# KiCad board ardumower mega shield svn.kicad_pcb (continued)
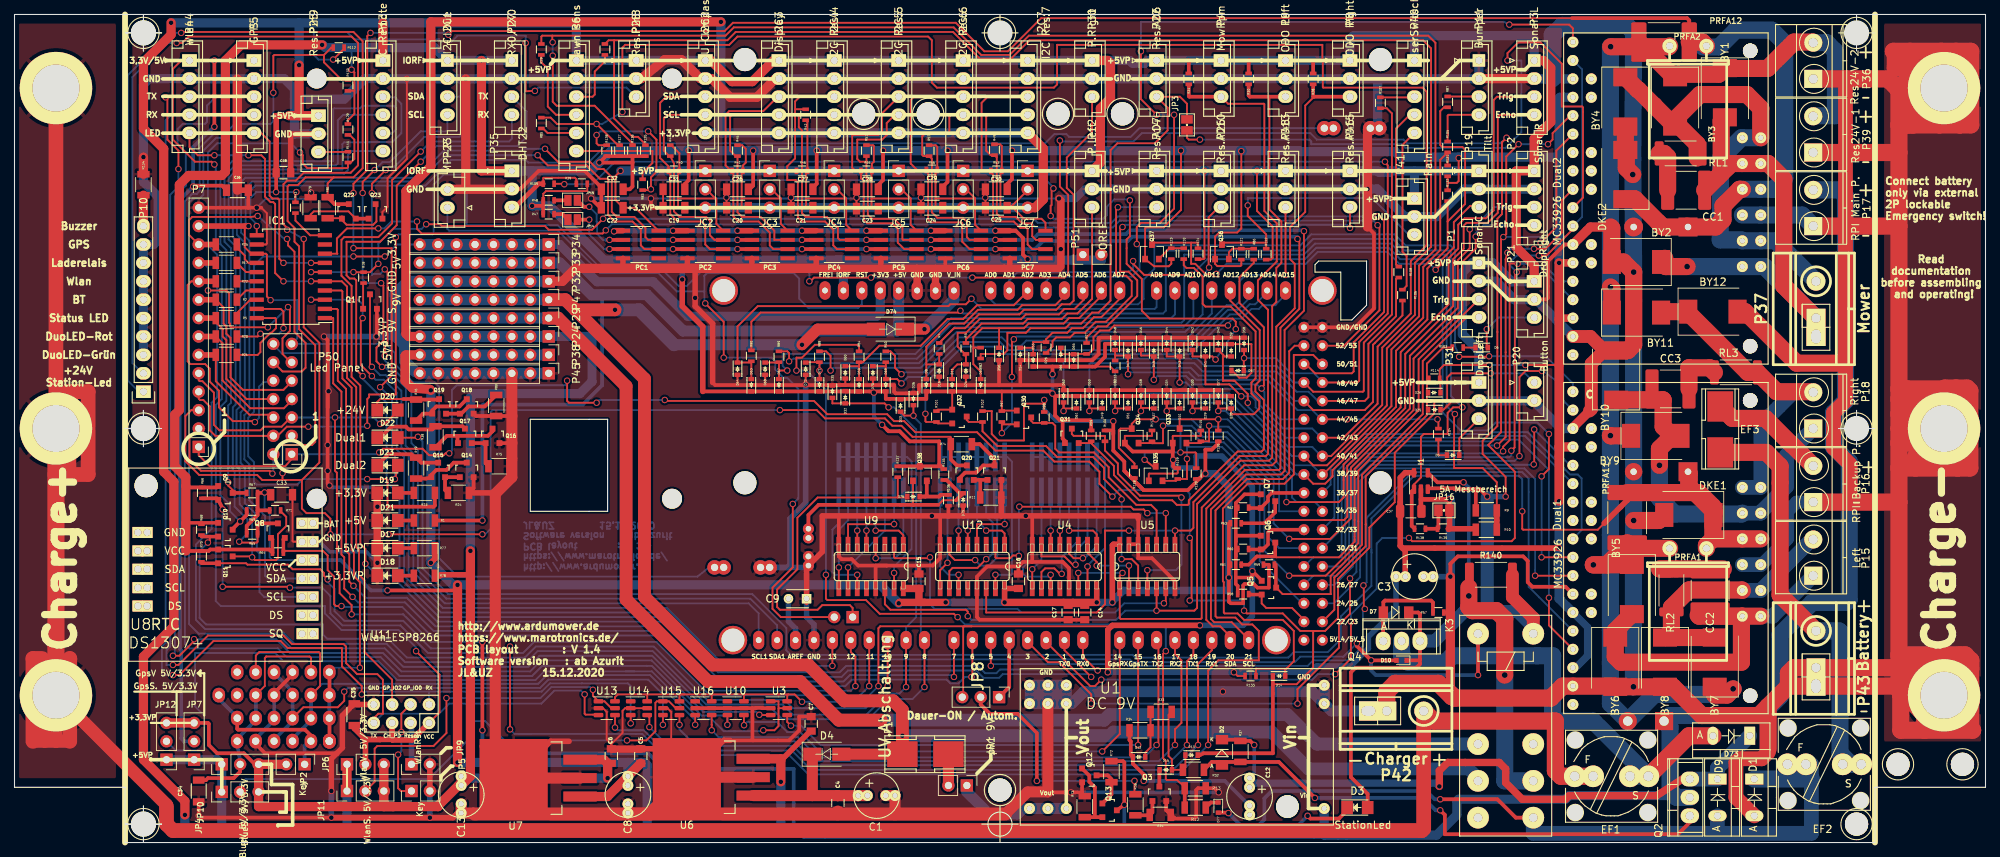
[diagram p0: board, top side]
## Library data of the parts (continued)
PRFA2 = -: Bestelllink: https://www.reichelt.de/de/en/resettable-fuses-max-40-a-30-v-14-5-s-pfra-500-p35215.html?GROUP=C48&GROUPID=7658&START=0&SORT=-rank&OFFSET=16&&r=1; Bestellnummer: R: PFRA 500; Bestücken (Assemble): NEIN (NO); Dateiname Blatt: Motortreiber2.kicad_sch; Funktion: PFRA 500 Resettable fuses, max. 40 A, 30 V, 14.5 s; Reichelt-Bestellnummer: R: PFRA 500; Schaltplanname: Motortreiber2; Technische Daten: PFRA 500 Resettable fuses, max. 40 A, 30 V, 14.5 s
PRFA11 = -: Bestelllink: https://www.mouser.de/ProductDetail/Littelfuse/2920L500-24SLDR/?qs=%2Fha2pyFadujrPVORV2ny8ShSp9F2IGH04BA1WKQYQ6Q%3D; Bestellnummer: R: PFRA 500; Bestücken (Assemble): NEIN (NO); Dateiname Blatt: Motortreiber1.kicad_sch; Funktion: PPTC PTC 24V POLYFUSE SMD 2920 SL 5.00A; Gehäuseart: 2920; Hersteller Nummer: 2920L500/24SLDR; Mouser Datenblatt: https://www.mouser.de/datasheet/2/240/littelfuse_ptc_low_rho_datasheet_pdf-1901322.pdf; Mouser Nummer: 576-2920L500/24SLDR; Reichelt-Bestellnummer: R: PFRA 500; Schaltplanname: Motortreiber1; Technische Daten: PPTC PTC 24V POLYFUSE SMD 2920 SL 5.00A
PRFA12 = -: Bestelllink: https://www.mouser.de/ProductDetail/Littelfuse/2920L500-24SLDR/?qs=%2Fha2pyFadujrPVORV2ny8ShSp9F2IGH04BA1WKQYQ6Q%3D; Bestellnummer: R: PFRA 500; Bestücken (Assemble): NEIN (NO); Dateiname Blatt: Motortreiber2.kicad_sch; Funktion: PPTC PTC 24V POLYFUSE SMD 2920 SL 5.00A; Gehäuseart: 2920; Hersteller Nummer: 2920L500/24SLDR; Mouser Datenblatt: https://www.mouser.de/datasheet/2/240/littelfuse_ptc_low_rho_datasheet_pdf-1901322.pdf; Mouser Nummer: 576-2920L500/24SLDR; Reichelt-Bestellnummer: R: PFRA 500; Schaltplanname: Motortreiber2; Technische Daten: PPTC PTC 24V POLYFUSE SMD 2920 SL 5.00A
Q1 = -: Bauform: Value; Bestelllink: https://www.reichelt.de/de/en/transistor-smd-npn-sot-23-45-v-0-1-a-0-25-w-bc-847b-smd-p18562.html?GROUPID=7206&&r=1; Bestellnummer: R: BC 847B SMD; Bestücken (Assemble): JA (YES); Dateiname Blatt: ardumower mega shield svn.kicad_sch; Funktion: Transistor SMD NPN SOT-23 45 V 0.1 A 0.25 W; Gehäuseart: SOT-23; Reichelt-Bestellnummer: R: BC 847B SMD; Technische Daten: Transistor SMD NPN SOT-23 45 V 0.1 A 0.25 W
Q2 = -: Bauform: Value; Bestelllink: https://www.reichelt.de/mosfet-p-ch-100v-23a-140w-to-220ab-irf-9540n-p41638.html?&trstct=pos_0&nbc=1; Bestellnummer: R: IRF 9540N; Bestücken (Assemble): NEIN (NO); Dateiname Blatt: USpannungAB.kicad_sch; Funktion: MOSFET, P-CH, 100V, 23A, 140W, TO-220AB; Gehäuseart: TO-220AB; Reichelt-Bestellnummer: R: IRF 9540N; Schaltplanname: USpannungAB; Technische Daten: MOSFET, P-CH, 100V, 23A, 140W, TO-220AB
Q3 = -: Bauform: Value; Bestelllink: https://www.reichelt.de/SB-SKE-4F-Dioden/S-1G-SMD/3/index.html?ACTION=3&LA=446&ARTICLE=95354&GROUPID=2991&artnr=S+1G+SMD&SEARCH=S%2B1G%2BSMD; Bestellnummer: R: BC 817-40 SMD; Bestücken (Assemble): JA (YES); Dateiname Blatt: USpannungAB.kicad_sch; Funktion: Transistor SMD NPN SOT-23 45 V 0.5 A 0.25 W; Gehäuseart: SOT-23; Reichelt-Bestellnummer: R: BC 817-40 SMD; Schaltplanname: USpannungAB; Technische Daten: Transistor SMD NPN SOT-23 45 V 0.5 A 0.25 W
Q4 = -: Bestelllink: https://www.reichelt.de/mosfet-p-ch-100v-23a-140w-to-220ab-irf-9540n-p41638.html?&trstct=pos_0&nbc=1; Bestellnummer: R: IRF 9540N; Bestücken (Assemble): NEIN (NO); Dateiname Blatt: VerpolungsschutzLade.kicad_sch; Funktion: MOSFET, P-CH, 100V, 23A, 140W, TO-220AB; Gehäuseart: TO-220AB; Reichelt-Bestellnummer: R: IRF 9540N; Schaltplanname: VerpolungsschutzLade.; Technische Daten: MOSFET, P-CH, 100V, 23A, 140W, TO-220AB
Q5 = -: Bauform: Value; Bestelllink: https://www.reichelt.de/de/en/transistor-smd-n-fet-sot-23-50-v-0-22-a-bss-138-smd-p41437.html?SEARCH=bss138&&r=1; Bestellnummer: R: BSS 138 SMD; Bestücken (Assemble): JA (YES); Dateiname Blatt: LShifter1.kicad_sch; Funktion: Transistor SMD N-FET SOT-23 50 V 0.22 A; Gehäuseart: SOT-23; Reichelt-Bestellnummer: R: BSS 138 SMD; Schaltplanname: LShifter1; Technische Daten: Transistor SMD N-FET SOT-23 50 V 0.22 A
Q6 = -: Bauform: Value; Bestelllink: https://www.reichelt.de/de/en/transistor-smd-n-fet-sot-23-50-v-0-22-a-bss-138-smd-p41437.html?SEARCH=bss138&&r=1; Bestellnummer: R: BSS 138 SMD; Bestücken (Assemble): JA (YES); Dateiname Blatt: LShifter2.kicad_sch; Funktion: Transistor SMD N-FET SOT-23 50 V 0.22 A; Gehäuseart: SOT-23; Reichelt-Bestellnummer: R: BSS 138 SMD; Schaltplanname: LShifter2; Technische Daten: Transistor SMD N-FET SOT-23 50 V 0.22 A
Q7 = -: Bauform: Value; Bestelllink: https://www.reichelt.de/de/en/transistor-smd-n-fet-sot-23-50-v-0-22-a-bss-138-smd-p41437.html?SEARCH=bss138&&r=1; Bestellnummer: R: BSS 138 SMD; Bestücken (Assemble): JA (YES); Dateiname Blatt: LShifter3.kicad_sch; Funktion: Transistor SMD N-FET SOT-23 50 V 0.22 A; Gehäuseart: SOT-23; Reichelt-Bestellnummer: R: BSS 138 SMD; Schaltplanname: LShifter3; Technische Daten: Transistor SMD N-FET SOT-23 50 V 0.22 A
Q8 = -: Bauform: Value; Bestelllink: https://www.reichelt.de/de/en/transistor-smd-n-fet-sot-23-50-v-0-22-a-bss-138-smd-p41437.html?SEARCH=bss138&&r=1; Bestellnummer: R: BSS 138 SMD; Bestücken (Assemble): JA (YES); Dateiname Blatt: LShifter4.kicad_sch; Funktion: Transistor SMD N-FET SOT-23 50 V 0.22 A; Gehäuseart: SOT-23; Reichelt-Bestellnummer: R: BSS 138 SMD; Schaltplanname: LShifter4; Technische Daten: Transistor SMD N-FET SOT-23 50 V 0.22 A
Q9 = -: Bauform: Value; Bestelllink: https://www.reichelt.de/de/en/transistor-smd-n-fet-sot-23-50-v-0-22-a-bss-138-smd-p41437.html?SEARCH=bss138&&r=1; Bestellnummer: R: BSS 138 SMD; Bestücken (Assemble): JA (YES); Dateiname Blatt: LShifter5.kicad_sch; Funktion: Transistor SMD N-FET SOT-23 50 V 0.22 A; Gehäuseart: SOT-23; Reichelt-Bestellnummer: R: BSS 138 SMD; Schaltplanname: LShifter5; Technische Daten: Transistor SMD N-FET SOT-23 50 V 0.22 A
Q10 = -: Bauform: Value; Bestelllink: https://www.reichelt.de/de/en/transistor-smd-n-fet-sot-23-50-v-0-22-a-bss-138-smd-p41437.html?SEARCH=bss138&&r=1; Bestellnummer: R: BSS 138 SMD; Bestücken (Assemble): JA (YES); Dateiname Blatt: LShifter6.kicad_sch; Funktion: Transistor SMD N-FET SOT-23 50 V 0.22 A; Gehäuseart: SOT-23; Reichelt-Bestellnummer: R: BSS 138 SMD; Schaltplanname: LShifter6; Technische Daten: Transistor SMD N-FET SOT-23 50 V 0.22 A
Q11 = -: Bauform: Value; Bestelllink: https://www.reichelt.de/de/en/transistor-smd-n-fet-sot-23-50-v-0-22-a-bss-138-smd-p41437.html?SEARCH=bss138&&r=1; Bestellnummer: R: BSS 138 SMD; Bestücken (Assemble): JA (YES); Dateiname Blatt: LShifter7.kicad_sch; Funktion: Transistor SMD N-FET SOT-23 50 V 0.22 A; Gehäuseart: SOT-23; Reichelt-Bestellnummer: R: BSS 138 SMD; Schaltplanname: LShifter7; Technische Daten: Transistor SMD N-FET SOT-23 50 V 0.22 A
Q12 Q13 = -: Bestelllink: https://www.reichelt.de/SB-SKE-4F-Dioden/S-1G-SMD/3/index.html?ACTION=3&LA=446&ARTICLE=95354&GROUPID=2991&artnr=S+1G+SMD&SEARCH=S%2B1G%2BSMD; Bestellnummer: R: BC 817-40 SMD; Bestücken (Assemble): JA (YES); Dateiname Blatt: Stationsled.kicad_sch; Funktion: Transistor SMD NPN SOT-23 45 V 0.5 A 0.25 W; Gehäuseart: SOT-23; Reichelt-Bestellnummer: R: BC 817-40 SMD; Schaltplanname: Stationsled; Technische Daten: Transistor SMD NPN SOT-23 45 V 0.5 A 0.25 W
Q14-Q23 = -: Bestelllink: https://www.reichelt.de/SB-SKE-4F-Dioden/S-1G-SMD/3/index.html?ACTION=3&LA=446&ARTICLE=95354&GROUPID=2991&artnr=S+1G+SMD&SEARCH=S%2B1G%2BSMD; Bestellnummer: R: BC 817-40 SMD; Bestücken (Assemble): JA (YES); Dateiname Blatt: Leuchtdioden.kicad_sch; Funktion: Transistor SMD NPN SOT-23 45 V 0.5 A 0.25 W; Gehäuseart: SOT-23; Reichelt-Bestellnummer: R: BC 817-40 SMD; Schaltplanname: Leuchtdioden; Technische Daten: Transistor SMD NPN SOT-23 45 V 0.5 A 0.25 W
Q30 = -: Bauform: Value; Bestelllink: https://www.reichelt.de/de/en/transistor-smd-n-fet-sot-23-50-v-0-22-a-bss-138-smd-p41437.html?SEARCH=bss138&&r=1; Bestellnummer: R: BSS 138 SMD; Bestücken (Assemble): JA (YES); Dateiname Blatt: LShifter8.kicad_sch; Funktion: Transistor SMD N-FET SOT-23 50 V 0.22 A; Gehäuseart: SOT-23; Reichelt-Bestellnummer: R: BSS 138 SMD; Schaltplanname: LShifter8; Technische Daten: Transistor SMD N-FET SOT-23 50 V 0.22 A
Q31 = -: Bauform: Value; Bestelllink: https://www.reichelt.de/de/en/transistor-smd-n-fet-sot-23-50-v-0-22-a-bss-138-smd-p41437.html?SEARCH=bss138&&r=1; Bestellnummer: R: BSS 138 SMD; Bestücken (Assemble): JA (YES); Dateiname Blatt: LShifter9.kicad_sch; Funktion: Transistor SMD N-FET SOT-23 50 V 0.22 A; Gehäuseart: SOT-23; Reichelt-Bestellnummer: R: BSS 138 SMD; Schaltplanname: LShifter9; Technische Daten: Transistor SMD N-FET SOT-23 50 V 0.22 A
Q32 = -: Bauform: Value; Bestelllink: https://www.reichelt.de/de/en/transistor-smd-n-fet-sot-23-50-v-0-22-a-bss-138-smd-p41437.html?SEARCH=bss138&&r=1; Bestellnummer: R: BSS 138 SMD; Bestücken (Assemble): JA (YES); Dateiname Blatt: LShifter10.kicad_sch; Funktion: Transistor SMD N-FET SOT-23 50 V 0.22 A; Gehäuseart: SOT-23; Reichelt-Bestellnummer: R: BSS 138 SMD; Schaltplanname: LShifter10; Technische Daten: Transistor SMD N-FET SOT-23 50 V 0.22 A
Q33 = -: Bauform: Value; Bestelllink: https://www.reichelt.de/de/en/transistor-smd-n-fet-sot-23-50-v-0-22-a-bss-138-smd-p41437.html?SEARCH=bss138&&r=1; Bestellnummer: R: BSS 138 SMD; Bestücken (Assemble): JA (YES); Dateiname Blatt: LShifter11.kicad_sch; Funktion: Transistor SMD N-FET SOT-23 50 V 0.22 A; Gehäuseart: SOT-23; Reichelt-Bestellnummer: R: BSS 138 SMD; Schaltplanname: LShifter11; Technische Daten: Transistor SMD N-FET SOT-23 50 V 0.22 A
Q34 = -: Bauform: Value; Bestelllink: https://www.reichelt.de/de/en/transistor-smd-n-fet-sot-23-50-v-0-22-a-bss-138-smd-p41437.html?SEARCH=bss138&&r=1; Bestellnummer: R: BSS 138 SMD; Bestücken (Assemble): JA (YES); Dateiname Blatt: LShifter12.kicad_sch; Funktion: Transistor SMD N-FET SOT-23 50 V 0.22 A; Gehäuseart: SOT-23; Reichelt-Bestellnummer: R: BSS 138 SMD; Schaltplanname: LShifter12; Technische Daten: Transistor SMD N-FET SOT-23 50 V 0.22 A
Q35 = -: Bauform: Value; Bestelllink: https://www.reichelt.de/de/en/transistor-smd-n-fet-sot-23-50-v-0-22-a-bss-138-smd-p41437.html?SEARCH=bss138&&r=1; Bestellnummer: R: BSS 138 SMD; Bestücken (Assemble): JA (YES); Dateiname Blatt: LShifter13.kicad_sch; Funktion: Transistor SMD N-FET SOT-23 50 V 0.22 A; Gehäuseart: SOT-23; Reichelt-Bestellnummer: R: BSS 138 SMD; Schaltplanname: LShifter13; Technische Daten: Transistor SMD N-FET SOT-23 50 V 0.22 A
Q36 = -: Bauform: Value; Bestelllink: https://www.reichelt.de/de/en/transistor-smd-n-fet-sot-23-50-v-0-22-a-bss-138-smd-p41437.html?SEARCH=bss138&&r=1; Bestellnummer: R: BSS 138 SMD; Bestücken (Assemble): JA (YES); Dateiname Blatt: LShifter14.kicad_sch; Funktion: Transistor SMD N-FET SOT-23 50 V 0.22 A; Gehäuseart: SOT-23; Reichelt-Bestellnummer: R: BSS 138 SMD; Schaltplanname: LShifter14; Technische Daten: Transistor SMD N-FET SOT-23 50 V 0.22 A
Q37 = -: Bauform: Value; Bestelllink: https://www.reichelt.de/de/en/transistor-smd-n-fet-sot-23-50-v-0-22-a-bss-138-smd-p41437.html?SEARCH=bss138&&r=1; Bestellnummer: R: BSS 138 SMD; Bestücken (Assemble): JA (YES); Dateiname Blatt: LShifter15.kicad_sch; Funktion: Transistor SMD N-FET SOT-23 50 V 0.22 A; Gehäuseart: SOT-23; Reichelt-Bestellnummer: R: BSS 138 SMD; Schaltplanname: LShifter15; Technische Daten: Transistor SMD N-FET SOT-23 50 V 0.22 A
Q38 = -: Bauform: Value; Bestelllink: https://www.reichelt.de/de/en/transistor-smd-npn-sot-23-45-v-0-1-a-0-25-w-bc-847b-smd-p18562.html?GROUPID=7206&&r=1; Bestellnummer: R: BC 847B SMD; Bestücken (Assemble): JA (YES); Dateiname Blatt: Anschlußstecker.kicad_sch; Funktion: Transistor SMD NPN SOT-23 45 V 0.1 A 0.25 W; Gehäuseart: SOT-23; Reichelt-Bestellnummer: R: BC 847B SMD; Schaltplanname: Anschlußstecker; Technische Daten: Transistor SMD NPN SOT-23 45 V 0.1 A 0.25 W
R1 R2 R5 R17 R20-R22 R25 R77 R134 = -: Bauform: Value; Bestelllink: https://www.reichelt.de/de/en/smd-resistor-1206-220-ohm-125-mw-1--rnd-1206-1-220-p183354.html?GROUPID=7973&SEARCH=rnd%2B1206%2B1%2B220&&r=1; Bestellnummer: R: RND 1206 1 220; Bestücken (Assemble): JA (YES); Dateiname Blatt: Leuchtdioden.kicad_sch; Funktion: SMD Resistor 1206, 220 Ohm, 125 mW, 1%; Gehäuseart: 1206; Hersteller: Value; Hersteller Bestellnummer: Value; Reichelt-Bestellnummer: R: RND 1206 1 220; Schaltplanname: Leuchtdioden; Technische Daten: SMD Resistor 1206, 220 Ohm, 125 mW, 1%
R3 R4 R26 R27 R29 R50 R54 R87-R90 R103-R112 = -: Bauform: Value; Bestelllink: https://www.reichelt.de/de/en/smd-resistor-0603-300-ohm-63-mw-1--rnd-0603-1-300-p183023.html?GROUPID=7967&SEARCH=0603%2B300%252C0&&r=1; Bestellnummer: R: RND 0603 1 300; Bestücken (Assemble): JA (YES); Dateiname Blatt: Arduino_Mega.kicad_sch; Funktion: SMD-Widerstand, 0603, 300 Ohm, 100 mW, 1%; Gehäuseart: 0603; Reichelt-Bestellnummer: R: RND 0603 1 300; Schaltplanname: Arduino_Mega; Technische Daten: SMD-Widerstand, 0603, 300 Ohm, 100 mW, 1%
R9 R12 = -: Bauform: 1206; Bestelllink: https://www.reichelt.de/SMD-1206-von-1-bis-910-kOhm/SPR-1206-100K/3/index.html?ACTION=3&LA=446&ARTICLE=123458&GROUPID=7974&artnr=SPR-1206+100K&SEARCH=spr-1206%2B100k; Bestellnummer: R: SPR-1206 100K; Bestücken (Assemble): JA (YES); Dateiname Blatt: ardumower mega shield svn.kicad_sch; Funktion: SMD-Chipwiderstand 1206, 100 kOhm, 0,1%; Gehäuseart: 1206; Hersteller: Value; Hersteller Bestellnummer: Value; Reichelt-Bestellnummer: R: SPR-1206 100K; Technische Daten: SMD-Chipwiderstand 1206, 100 kOhm, 0,1%
R10 R13 = -: Bauform: 1206; Bestelllink: https://www.reichelt.de/SMD-1206-von-1-bis-910-kOhm/SPR-1206-10-0K/3/index.html?ACTION=3&LA=446&ARTICLE=123435&GROUPID=7974&artnr=SPR-1206+10%2C0K&SEARCH=spr-1206%2B10%252C0k; Bestellnummer: R: SPR-1206 10,0K; Bestücken (Assemble): JA (YES); Dateiname Blatt: ardumower mega shield svn.kicad_sch; Funktion: SMD chip resistor 1206, 10.0 kOhms, 0.1%; Gehäuseart: 1206; Hersteller: Value; Hersteller Bestellnummer: Value; Reichelt-Bestellnummer: R: SPR-1206 10,0K; Technische Daten: SMD-Chipwiderstand 1206, 10,0 kOhm, 0,1%
R11 R79 = -: Bauform: Value; Bestelllink: https://www.reichelt.de/de/en/smd-resistor-1206-68-ohm-125-mw-1--rnd-1206-1-68-p183346.html?GROUPID=7973&SEARCH=rnd%2B1206%2B1%2B68%252C0&&r=1; Bestellnummer: R: RND 1206 1 68; Bestücken (Assemble): JA (YES); Dateiname Blatt: Leuchtdioden.kicad_sch; Funktion: SMD Resistor 1206, 68 Ohm, 125 mW, 1%; Gehäuseart: 1206; Hersteller: Value; Hersteller Bestellnummer: Value; Reichelt-Bestellnummer: R: RND 1206 1 68; Schaltplanname: Leuchtdioden; Technische Daten: SMD Resistor 1206, 68 Ohm, 125 mW, 1%
R18 = -: Bauform: Value; Bestelllink: https://www.reichelt.de/smd-widerstand-0603-2-2-kohm-100-mw-1--rnd-0603-1-2-2k-p183061.html?GROUPID=7968&SEARCH=0603%2B2%252C2k&&r=1; Bestellnummer: R: RND 0603 1 2,2K; Bestücken (Assemble): JA (YES); Dateiname Blatt: ardumower mega shield svn.kicad_sch; Funktion: SMD-Widerstand, 0603, 2,2 kOhm, 100 mW, 1%; Gehäuseart: 0603; Hersteller: Value; Hersteller Bestellnummer: Value; Reichelt-Bestellnummer: R: RND 0603 1 2,2K; Technische Daten: SMD-Widerstand, 0603, 2,2 kOhm, 100 mW, 1%
R19 R38 R74 R76 R81 = -: Bauform: Value; Bestelllink: https://www.reichelt.de/de/en/smd-resistor-1206-8-2-kohm-125-mw-1--rnd-1206-1-8-2k-p183393.html?GROUPID=7974&SEARCH=rnd%2B1206%2B1%2B8%252C2k&&r=1; Bestellnummer: R: RND 1206 1 8,2K; Bestücken (Assemble): JA (YES); Dateiname Blatt: Leuchtdioden.kicad_sch; Funktion: SMD Resistor 1206, 8.2 kOhm, 125 mW, 1%; Gehäuseart: 1206; Hersteller: Value; Hersteller Bestellnummer: Value; Reichelt-Bestellnummer: R: RND 1206 1 8,2K; Schaltplanname: Leuchtdioden; Technische Daten: SMD Resistor 1206, 8.2 kOhm, 125 mW, 1%
R23 R78 = -: Bauform: Value; Bestelllink: https://www.reichelt.de/de/en/smd-resistor-1206-100-ohm-125-mw-1--rnd-1206-1-100-p183349.html?GROUPID=7973&SEARCH=rnd%2B1206%2B1%2B100%252C0&&r=1; Bestellnummer: R: RND 1206 1 100; Bestücken (Assemble): JA (YES); Dateiname Blatt: Leuchtdioden.kicad_sch; Funktion: SMD Resistor 1206, 100 Ohm, 125 mW, 1%; Gehäuseart: 1206; Hersteller: Value; Hersteller Bestellnummer: Value; Reichelt-Bestellnummer: R: RND 1206 1 100; Schaltplanname: Leuchtdioden; Technische Daten: SMD Resistor 1206, 100 Ohm, 125 mW, 1%
R24 R75 R80 = -: Bauform: Value; Bestelllink: https://www.reichelt.de/de/en/smd-resistor-1206-180-ohm-125-mw-1--rnd-1206-1-180-p183352.html?SEARCH=rnd%201206%201%20180&&r=1; Bestellnummer: R: RND 1206 1 180; Bestücken (Assemble): JA (YES); Dateiname Blatt: Leuchtdioden.kicad_sch; Funktion: SMD Resistor 1206, 180 Ohm, 125 mW, 1%; Gehäuseart: 1206; Hersteller: Value; Hersteller Bestellnummer: Value; Reichelt-Bestellnummer: R: RND 1206 1 180; Schaltplanname: Leuchtdioden; Technische Daten: SMD Resistor 1206, 180 Ohm, 125 mW, 1%
R28 R30 R31 = -: Bauform: Value; Bestelllink: https://www.reichelt.de/de/de/smd-widerstand-0603-4-7-kohm-100-mw-1--rnd-0603-1-4-7k-p183069.html?GROUPID=7968&SEARCH=RND%2B0603%2B1%2B4%252C7k&&r=1; Bestellnummer: R: RND 0603 1 4,7K; Bestücken (Assemble): JA (YES); Dateiname Blatt: Anschlußstecker.kicad_sch; Funktion: SMD-Widerstand, 0603, 4,7 kOhm, 100 mW, 1%; Gehäuseart: 0603; Hersteller: Value; Hersteller Bestellnummer: Value; Reichelt-Bestellnummer: R: RND 0603 1 4,7K; Schaltplanname: Anschlußstecker; Technische Daten: SMD-Widerstand, 0603, 4,7 kOhm, 100 mW, 1%
R32 = -: Bauform: Value; Bestelllink: https://www.reichelt.de/de/en/smd-resistor-1206-1-0-kohm-125-mw-1--rnd-1206-1-1-0k-p183379.html?GROUPID=7974&SEARCH=rnd%2B1206%2B1%2B1%252C0k&&r=1; Bestellnummer: R: RND 1206 1 1,0K; Bestücken (Assemble): JA (YES); Dateiname Blatt: USpannungAB.kicad_sch; Funktion: SMD Resistor 1206, 1.0 kOhm, 125 mW, 1%; Gehäuseart: 1206; Hersteller: Value; Hersteller Bestellnummer: Value; Reichelt-Bestellnummer: R: RND 1206 1 1,0K; Schaltplanname: USpannungAB; Technische Daten: SMD Resistor 1206, 1.0 kOhm, 125 mW, 1%
R33 = -: Bauform: Value; Bestelllink: https://www.reichelt.de/de/en/smd-resistor-1206-100-ohm-125-mw-1--rnd-1206-1-100-p183349.html?GROUPID=7973&SEARCH=rnd%2B1206%2B1%2B100%252C0&&r=1; Bestellnummer: R: RND 1206 1 100; Bestücken (Assemble): JA (YES); Dateiname Blatt: USpannungAB.kicad_sch; Funktion: SMD Resistor 1206, 100 Ohm, 125 mW, 1%; Gehäuseart: 1206; Hersteller: Value; Hersteller Bestellnummer: Value; Reichelt-Bestellnummer: R: RND 1206 1 100; Schaltplanname: USpannungAB; Technische Daten: SMD Resistor 1206, 100 Ohm, 125 mW, 1%
R34 R35 = -: Bauform: Value; Bestelllink: https://www.reichelt.de/de/en/smd-resistor-1206-10-kohm-125-mw-1--rnd-1206-1-10k-p183394.html?GROUPID=7974&SEARCH=rnd%2B1206%2B1%2B10&&r=1; Bestellnummer: R: RND 1206 1 10K; Bestücken (Assemble): JA (YES); Dateiname Blatt: USpannungAB.kicad_sch; Funktion: SMD Resistor 1206, 10 kOhm, 125 mW, 1%; Gehäuseart: 1206; Hersteller: Value; Hersteller Bestellnummer: Value; Reichelt-Bestellnummer: R: RND 1206 1 10K; Schaltplanname: USpannungAB; Technische Daten: SMD Resistor 1206, 10 kOhm, 125 mW, 1%
R36 = -: Bauform: Value; Bestelllink: https://www.reichelt.de/smd-widerstand-1206-30-kohm-500-mw-1--rnd-155hp06-cg-p250896.html?&trstct=pos_2&nbc=1; Bestellnummer: R: RND 155HP06 CG; Bestücken (Assemble): JA (YES); Dateiname Blatt: USpannungAB.kicad_sch; Funktion: SMD-Widerstand, 1206, 30 kOhm, 500 mW, 1%; Gehäuseart: 1206; Hersteller: Value; Hersteller Bestellnummer: Value; Reichelt-Bestellnummer: R: RND 155HP06 CG; Schaltplanname: USpannungAB; Technische Daten: SMD-Widerstand, 1206, 30 kOhm, 500 mW, 1%
R37 = -: Bauform: Value; Bestelllink: https://www.reichelt.de/de/en/smd-resistor-1206-100-kohm-125-mw-1--rnd-1206-1-100k-p183410.html?GROUPID=7974&SEARCH=rnd%2B1206%2B1%2B100k&&r=1; Bestellnummer: R: RND 1206 1 100K; Bestücken (Assemble): JA (YES); Dateiname Blatt: USpannungAB.kicad_sch; Funktion: SMD Resistor 1206, 100 kOhm, 125 mW, 1%; Gehäuseart: 1206; Hersteller: Value; Hersteller Bestellnummer: Value; Reichelt-Bestellnummer: R: RND 1206 1 100K; Schaltplanname: USpannungAB; Technische Daten: SMD Resistor 1206, 100 kOhm, 125 mW, 1%
R39 R137 = -: Bauform: Value; Bestelllink: https://www.reichelt.de/smd-widerstand-0603-10-kohm-100-mw-1--rnd-0603-1-10k-p183077.html?GROUPID=7968&SEARCH=0603%2B10k&&r=1; Bestellnummer: R: RND 0603 1 10K; Bestücken (Assemble): JA (YES); Dateiname Blatt: Anschlußstecker.kicad_sch; Funktion: SMD-Widerstand, 0603, 10 kOhm, 100 mW, 1%; Gehäuseart: 0603; Hersteller: Value; Hersteller Bestellnummer: Value; Reichelt-Bestellnummer: R: RND 0603 1 10K; Schaltplanname: Anschlußstecker; Technische Daten: SMD-Widerstand, 0603, 10 kOhm, 100 mW, 1%
R42 R46-R49 R51-R53 R55 R56 = -: Bauform: Value; Bestelllink: https://www.reichelt.de/smd-widerstand-0603-10-kohm-100-mw-1--rnd-0603-1-10k-p183077.html?GROUPID=7968&SEARCH=0603%2B10k&&r=1; Bestellnummer: R: RND 0603 1 10K; Bestücken (Assemble): JA (YES); Dateiname Blatt: I2C.kicad_sch; Funktion: SMD-Widerstand, 0603, 10 kOhm, 100 mW, 1%; Gehäuseart: 0603; Hersteller: Value; Hersteller Bestellnummer: Value; Reichelt-Bestellnummer: R: RND 0603 1 10K; Schaltplanname: I2C; Technische Daten: SMD-Widerstand, 0603, 10 kOhm, 100 mW, 1%
R43 = -: Bauform: Value; Bestelllink: https://www.reichelt.de/smd-widerstand-0603-2-2-kohm-100-mw-1--rnd-0603-1-2-2k-p183061.html?GROUPID=7968&SEARCH=0603%2B2%252C2k&&r=1; Bestellnummer: R: RND 0603 1 2,2K; Bestücken (Assemble): JA (YES); Dateiname Blatt: Leuchtdioden.kicad_sch; Funktion: SMD-Widerstand, 0603, 2,2 kOhm, 100 mW, 1%; Gehäuseart: 0603; Hersteller: Value; Hersteller Bestellnummer: Value; Reichelt-Bestellnummer: R: RND 0603 1 2,2K; Schaltplanname: Leuchtdioden; Technische Daten: SMD-Widerstand, 0603, 2,2 kOhm, 100 mW, 1%
R57 = -: Bauform: Value; Bestelllink: https://www.reichelt.de/de/en/smd-resistor-0603-100-kohm-63-mw-1--rnd-0603-1-100k-p183102.html?GROUPID=7968&SEARCH=0603%2B100k&&r=1; Bestellnummer: R: RND 0603 1 100K; Bestücken (Assemble): JA (YES); Dateiname Blatt: VerpolungsschutzLade.kicad_sch; Funktion: SMD Resistor 0603, 100 kOhm, 63 mW, 1%; Gehäuseart: 0603; Hersteller Bestellnummer: Value; Reichelt-Bestellnummer: R: RND 0603 1 100K; Schaltplanname: VerpolungsschutzLade.; Technische Daten: SMD Resistor 0603, 100 kOhm, 63 mW, 1%
R58 R59 = -: Bauform: Value; Bestelllink: https://www.reichelt.de/smd-widerstand-0603-10-kohm-100-mw-1--rnd-0603-1-10k-p183077.html?GROUPID=7968&SEARCH=0603%2B10k&&r=1; Bestellnummer: R: RND 0603 1 10K; Bestücken (Assemble): JA (YES); Dateiname Blatt: LShifter1.kicad_sch; Funktion: SMD-Widerstand, 0603, 10 kOhm, 100 mW, 1%; Gehäuseart: 0603; Hersteller: Value; Hersteller Bestellnummer: Value; Reichelt-Bestellnummer: R: RND 0603 1 10K; Schaltplanname: LShifter1; Technische Daten: SMD-Widerstand, 0603, 10 kOhm, 100 mW, 1%
R60 R61 = -: Bauform: Value; Bestelllink: https://www.reichelt.de/smd-widerstand-0603-10-kohm-100-mw-1--rnd-0603-1-10k-p183077.html?GROUPID=7968&SEARCH=0603%2B10k&&r=1; Bestellnummer: R: RND 0603 1 10K; Bestücken (Assemble): JA (YES); Dateiname Blatt: LShifter2.kicad_sch; Funktion: SMD-Widerstand, 0603, 10 kOhm, 100 mW, 1%; Gehäuseart: 0603; Hersteller: Value; Hersteller Bestellnummer: Value; Reichelt-Bestellnummer: R: RND 0603 1 10K; Schaltplanname: LShifter2; Technische Daten: SMD-Widerstand, 0603, 10 kOhm, 100 mW, 1%
R62 R63 = -: Bauform: Value; Bestelllink: https://www.reichelt.de/smd-widerstand-0603-10-kohm-100-mw-1--rnd-0603-1-10k-p183077.html?GROUPID=7968&SEARCH=0603%2B10k&&r=1; Bestellnummer: R: RND 0603 1 10K; Bestücken (Assemble): JA (YES); Dateiname Blatt: LShifter3.kicad_sch; Funktion: SMD-Widerstand, 0603, 10 kOhm, 100 mW, 1%; Gehäuseart: 0603; Hersteller: Value; Hersteller Bestellnummer: Value; Reichelt-Bestellnummer: R: RND 0603 1 10K; Schaltplanname: LShifter3; Technische Daten: SMD-Widerstand, 0603, 10 kOhm, 100 mW, 1%
R64 R65 = -: Bauform: Value; Bestelllink: https://www.reichelt.de/smd-widerstand-0603-10-kohm-100-mw-1--rnd-0603-1-10k-p183077.html?GROUPID=7968&SEARCH=0603%2B10k&&r=1; Bestellnummer: R: RND 0603 1 10K; Bestücken (Assemble): JA (YES); Dateiname Blatt: LShifter4.kicad_sch; Funktion: SMD-Widerstand, 0603, 10 kOhm, 100 mW, 1%; Gehäuseart: 0603; Hersteller: Value; Hersteller Bestellnummer: Value; Reichelt-Bestellnummer: R: RND 0603 1 10K; Schaltplanname: LShifter4; Technische Daten: SMD-Widerstand, 0603, 10 kOhm, 100 mW, 1%
R66 R67 = -: Bauform: Value; Bestelllink: https://www.reichelt.de/smd-widerstand-0603-10-kohm-100-mw-1--rnd-0603-1-10k-p183077.html?GROUPID=7968&SEARCH=0603%2B10k&&r=1; Bestellnummer: R: RND 0603 1 10K; Bestücken (Assemble): JA (YES); Dateiname Blatt: LShifter5.kicad_sch; Funktion: SMD-Widerstand, 0603, 10 kOhm, 100 mW, 1%; Gehäuseart: 0603; Hersteller: Value; Hersteller Bestellnummer: Value; Reichelt-Bestellnummer: R: RND 0603 1 10K; Schaltplanname: LShifter5; Technische Daten: SMD-Widerstand, 0603, 10 kOhm, 100 mW, 1%
R68 R69 = -: Bauform: Value; Bestelllink: https://www.reichelt.de/smd-widerstand-0603-10-kohm-100-mw-1--rnd-0603-1-10k-p183077.html?GROUPID=7968&SEARCH=0603%2B10k&&r=1; Bestellnummer: R: RND 0603 1 10K; Bestücken (Assemble): JA (YES); Dateiname Blatt: LShifter6.kicad_sch; Funktion: SMD-Widerstand, 0603, 10 kOhm, 100 mW, 1%; Gehäuseart: 0603; Hersteller: Value; Hersteller Bestellnummer: Value; Reichelt-Bestellnummer: R: RND 0603 1 10K; Schaltplanname: LShifter6; Technische Daten: SMD-Widerstand, 0603, 10 kOhm, 100 mW, 1%